# Altium PCB DB46.PcbDoc (part 4 of 6)
Units mm, origin at the board's own origin, x right, y up, seen from the top; angles counter-clockwise.
Board outline 82.2 x 113.2 mm, 8 copper layers (Top Layer, MidLayer1, MidLayer2, GND, MidLayer3, VCC, MidLayer4, Bottom Layer), stack 1.576 mm thick; 186 components, 477 nets, 1727 pads, 1538 vias.
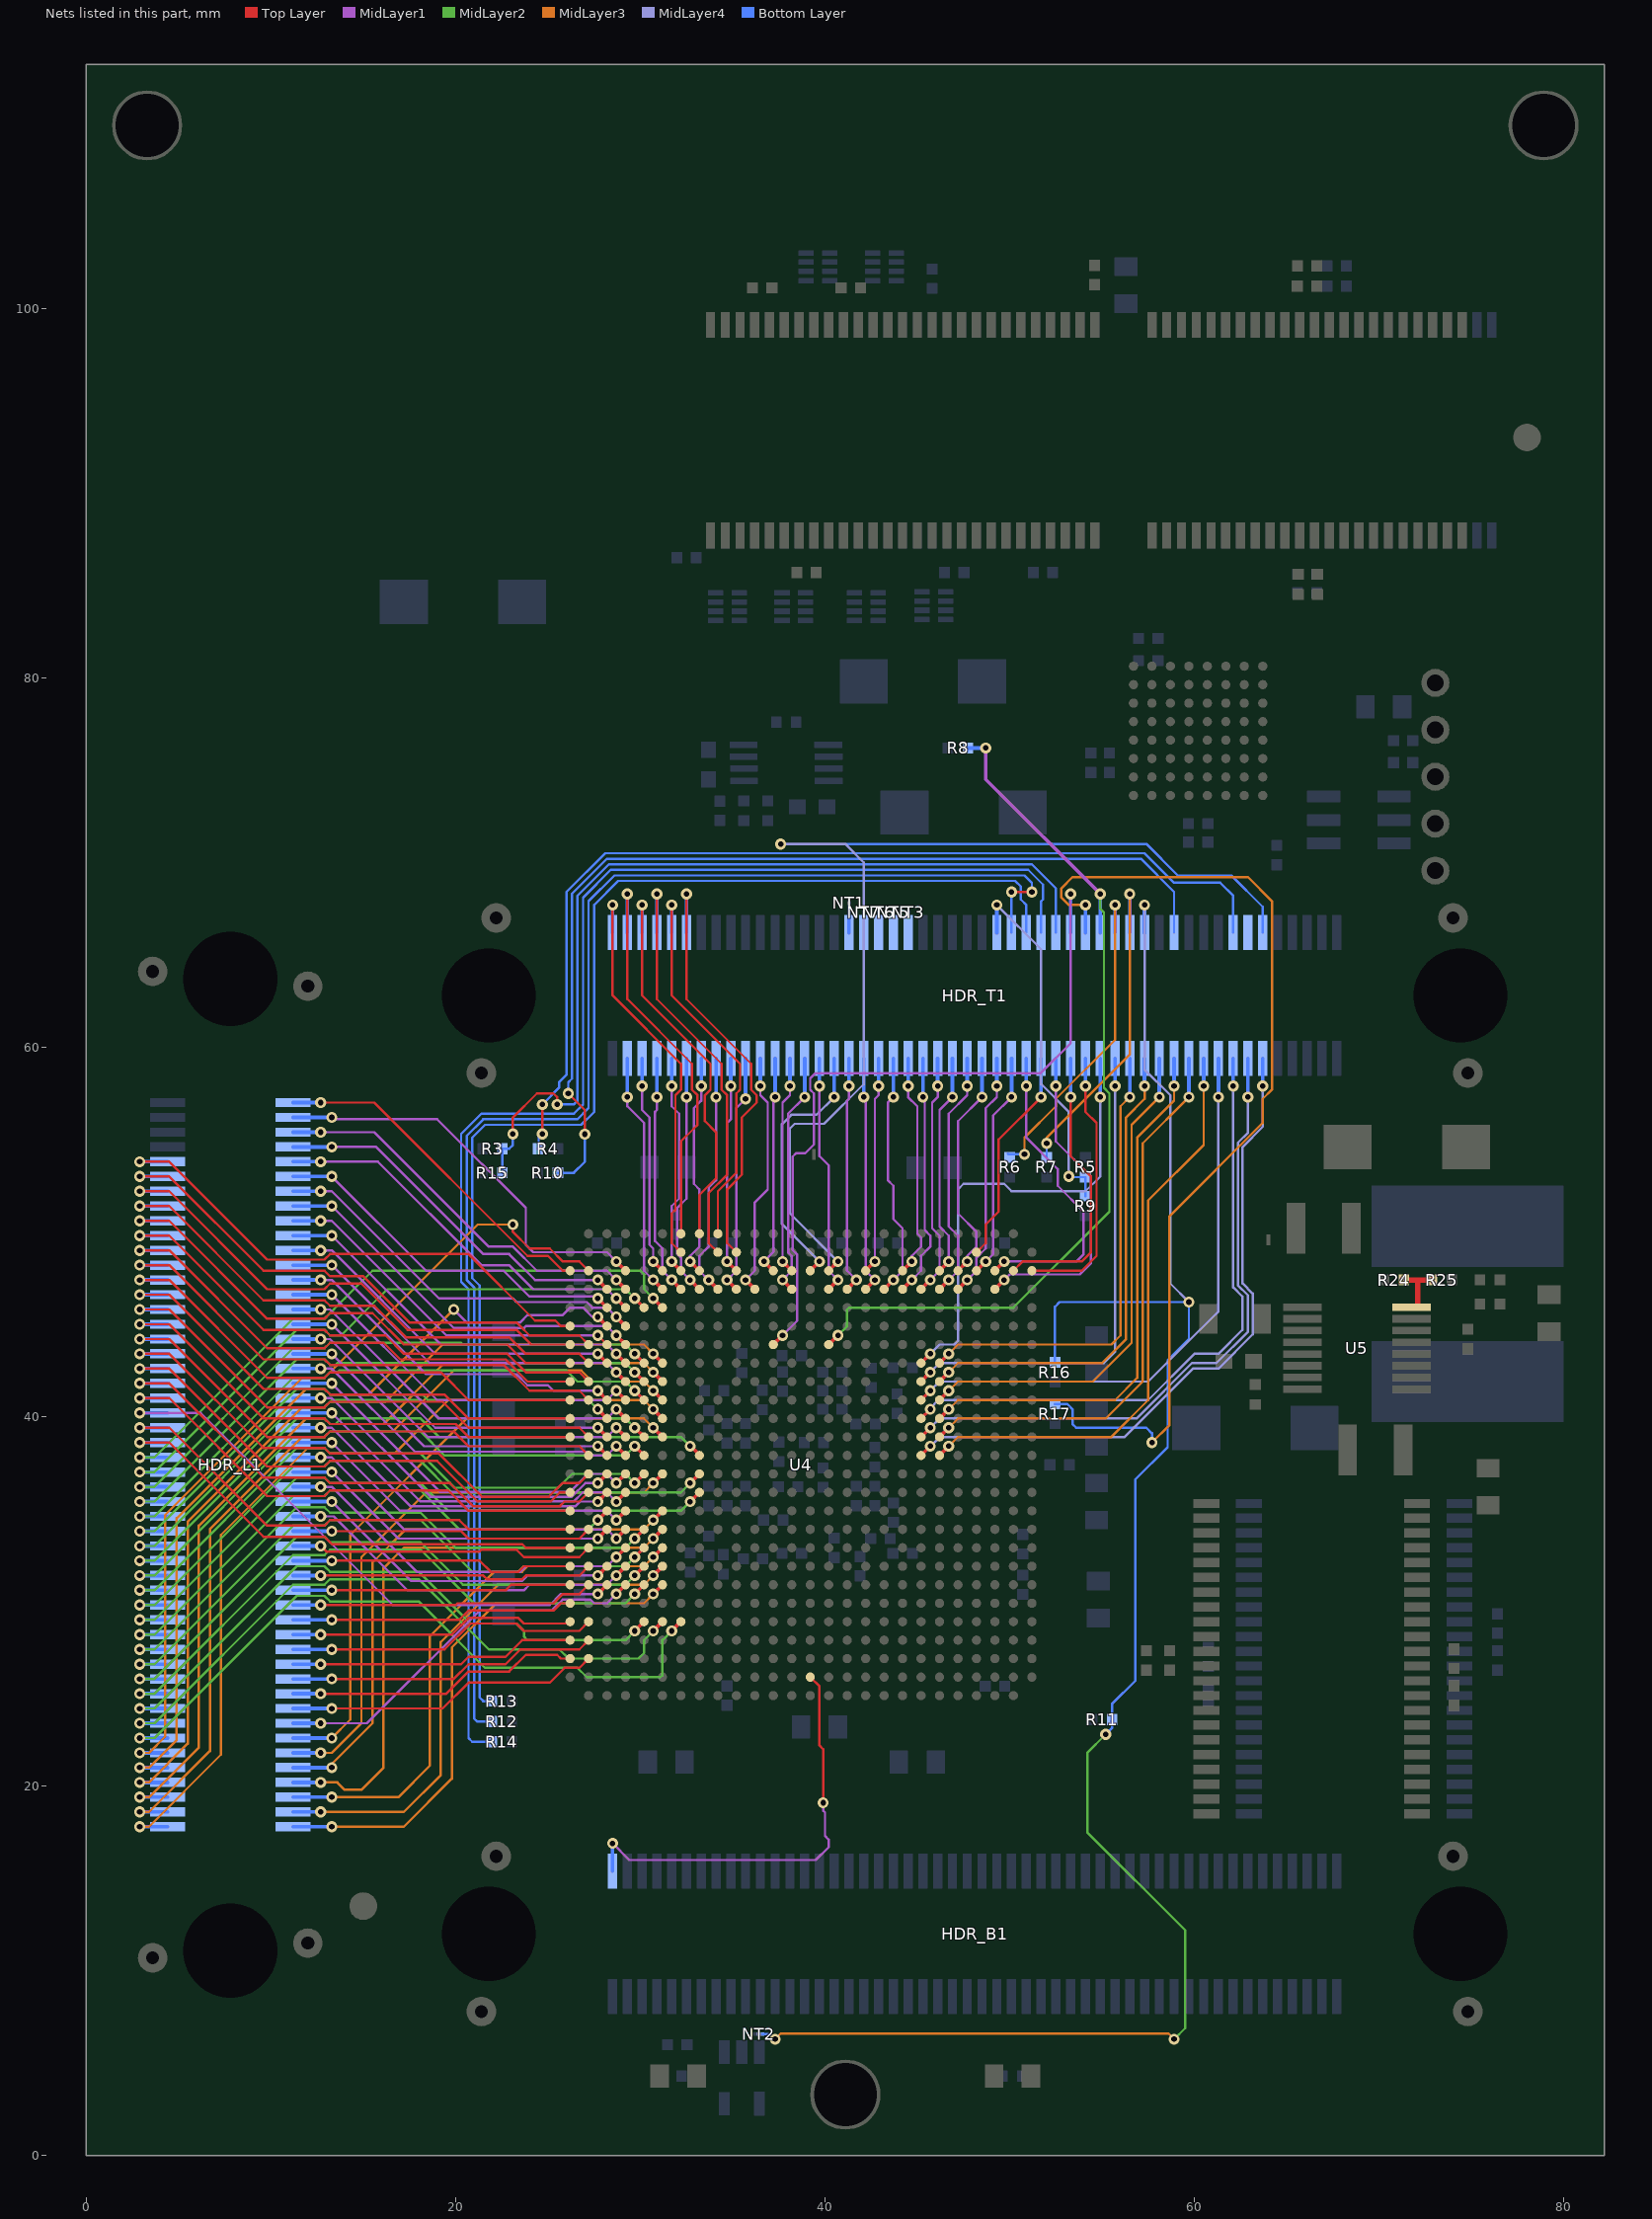
[diagram p10: the nets of this part, all layers, seen from the top]

## Via types
v1: diameter 0.6, hole 0.3, Top Layer to Bottom Layer, 904 vias
v2: diameter 0.6, hole 0.3, Top Layer to Bottom Layer, tented both sides, 506 vias
v3: diameter 0.7, hole 0.4, Top Layer to Bottom Layer, 127 vias
v4: diameter 0.6, hole 0.3, Top Layer to Bottom Layer, tented top, 1 vias

## Nets (pads, with @x,y where several pads share a name; then routed paths per layer and width w, separated by ;. In a path a pad name is that pad's centre, name@x,y a point inside that pad or via, vN(x,y) a via of type N, cw(c..) or ccw(c..) an arc to the next point about the centre after c; other vN are vias at no path point) (continued)
EXTEND_A4: HDR_L1.9 U4.F1 | length 29
  Top Layer w0.127: v2(2.9,53.8) 3.8,53.8 ; 3.5,53.8 4.5,53.8 9.8,48.5 12.9,48.5 13.2,48.8 20.7,48.8 24.3,45.2 24.6,45.2 25.4,45.2 25.7,44.9 U4.F1@26.2,44.9
  Bottom Layer w0.2: v2(2.9,53.8) HDR_L1.9@4.4,53.8
EXTEND_A5: HDR_L1.11 U4.G2 | length 29.9
  Top Layer w0.127: v2(2.9,53) 3.8,53 ; 3.5,53 4.5,53 9.6,47.9 12.9,47.9 13.2,47.6 15,47.6 17.5,45.1 23.3,45.1 23.5,44.9 24,44.4 25.8,44.4 26.7,44.4 U4.G2@27.2,43.9
  Bottom Layer w0.2: v2(2.9,53) HDR_L1.11@4.4,53
EXTEND_A6: HDR_L1.13 U4.G1 | length 28.8
  Top Layer w0.127: v2(2.9,52.2) 3.8,52.2 ; 3.5,52.2 4.5,52.2 9.8,46.9 12.9,46.9 13.2,47.2 14.9,47.2 17.4,44.7 23.3,44.7 24.1,43.9 24.3,43.9 24.6,43.9 U4.G1@26.2,43.9
  Bottom Layer w0.2: v2(2.9,52.2) HDR_L1.13@4.4,52.2
EXTEND_A7: HDR_L1.15 U4.H2 | length 29.6
  Top Layer w0.127: v2(2.9,51.4) 3.8,51.4 ; 3.5,51.4 4.5,51.4 9.6,46.3 12.9,46.3 13.2,46 15.6,46 17.3,44.3 22.9,44.3 23.8,43.4 24.3,43.4 24.6,43.4 26.7,43.4 U4.H2@27.2,42.9
  Bottom Layer w0.2: v2(2.9,51.4) HDR_L1.15@4.4,51.4
EXTEND_A8: HDR_L1.17 U4.H1 | length 28.5
  Top Layer w0.127: v2(2.9,50.6) 3.8,50.6 ; 3.5,50.6 4.5,50.6 9.8,45.3 12.9,45.3 13.2,45.6 15.5,45.6 17.2,43.9 22.8,43.9 23.8,42.9 24.3,42.9 24.6,42.9 U4.H1@26.2,42.9
  Bottom Layer w0.2: v2(2.9,50.6) HDR_L1.17@4.4,50.6
EXTEND_A9: HDR_L1.19 U4.J2 | length 29.4
  Top Layer w0.127: v2(2.9,49.8) 3.8,49.8 ; 3.5,49.8 4.5,49.8 9.6,44.7 12.9,44.7 13.2,44.4 16.2,44.4 17.2,43.4 22.8,43.4 23.8,42.4 24.3,42.4 24.6,42.4 26.7,42.4 U4.J2@27.2,41.9
  Bottom Layer w0.2: v2(2.9,49.8) HDR_L1.19@4.4,49.8
EXTEND_A10: HDR_L1.21 U4.J1 | length 28.3
  Top Layer w0.127: v2(2.9,49) 3.8,49 ; 3.5,49 4.5,49 9.8,43.7 12.9,43.7 13.2,44 16.1,44 17,43.1 22.7,43.1 23.9,41.9 24.3,41.9 24.6,41.9 U4.J1@26.2,41.9
  Bottom Layer w0.2: v2(2.9,49) HDR_L1.21@4.4,49
EXTEND_A11: HDR_L1.23 U4.K2 | length 29.1
  Top Layer w0.127: v2(2.9,48.2) 3.8,48.2 ; 3.5,48.2 4.5,48.2 9.6,43.1 12.9,43.1 13.2,42.8 22.6,42.8 24,41.4 24.3,41.4 24.6,41.4 26.7,41.4 U4.K2@27.2,40.9
  Bottom Layer w0.2: v2(2.9,48.2) HDR_L1.23@4.4,48.2
EXTEND_A12: HDR_L1.25 U4.K1 | length 27.7
  Top Layer w0.127: v2(2.9,47.4) 4.5,47.4 9.8,42.1 12.9,42.1 13.2,42.4 19.2,42.4 20.7,40.9 24.3,40.9 24.6,40.9 U4.K1@26.2,40.9
  Bottom Layer w0.2: v2(2.9,47.4) HDR_L1.25@4.4,47.4
EXTEND_A13: HDR_L1.27 U4.L1 | length 27.6
  Top Layer w0.127: v2(2.9,46.6) 4.5,46.6 9.6,41.5 12.9,41.5 13.2,41.2 19.4,41.2 20.7,39.9 24.3,39.9 24.6,39.9 U4.L1@26.2,39.9
  Bottom Layer w0.2: v2(2.9,46.6) HDR_L1.27@4.4,46.6
EXTEND_A14: HDR_L1.29 U4.M2 | length 28.9
  Top Layer w0.127: v2(2.9,45.8) 4.5,45.8 9.8,40.5 12.9,40.5 13.2,40.8 19.3,40.8 20.7,39.4 24.3,39.4 24.6,39.4 26.7,39.4 U4.M2@27.2,38.9
  Bottom Layer w0.2: v2(2.9,45.8) HDR_L1.29@4.4,45.8
EXTEND_A15: HDR_L1.31 U4.M1 | length 27.3
  Top Layer w0.127: v2(2.9,45) 4.5,45 9.6,39.9 12.9,39.9 13.2,39.6 20,39.6 20.7,38.9 24.3,38.9 24.6,38.9 U4.M1@26.2,38.9
  Bottom Layer w0.2: v2(2.9,45) HDR_L1.31@4.4,45
EXTEND_A16: HDR_L1.33 U4.N2 | length 28.7
  Top Layer w0.127: v2(2.9,44.2) 4.5,44.2 9.8,38.9 12.9,38.9 13.2,39.2 19.9,39.2 20.7,38.4 24.3,38.4 24.6,38.4 26.7,38.4 U4.N2@27.2,37.9
  Bottom Layer w0.2: v2(2.9,44.2) HDR_L1.33@4.4,44.2
EXTEND_A17: HDR_L1.35 U4.P2 | length 29.5
  Top Layer w0.127: v2(2.9,43.4) 4.5,43.4 9.6,38.3 12.9,38.3 13.2,38 19.1,38 21.438,35.662 25.046,35.662 25.784,36.4 26.7,36.4 U4.P2@27.2,36.9
  Bottom Layer w0.2: v2(2.9,43.4) HDR_L1.35@4.4,43.4
EXTEND_A18: HDR_L1.37 U4.R1 | length 28.2
  Top Layer w0.127: v2(2.9,42.6) 4.5,42.6 9.8,37.3 12.9,37.3 13.2,37.6 19,37.6 20.7,35.9 21.192,35.408 25.151,35.408 25.643,35.9 U4.R1@26.2,35.9
  Bottom Layer w0.2: v2(2.9,42.6) HDR_L1.37@4.4,42.6
EXTEND_A19: HDR_L1.39 U4.R2 | length 28.9
  Top Layer w0.127: v2(2.9,41.8) 4.5,41.8 9.6,36.7 12.9,36.7 13.2,36.4 19.7,36.4 20.946,35.154 25.654,35.154 25.9,35.4 26.7,35.4 U4.R2@27.2,35.9
  Bottom Layer w0.2: v2(2.9,41.8) HDR_L1.39@4.4,41.8
EXTEND_A20: HDR_L1.41 U4.T1 | length 27.6
  Top Layer w0.127: v2(2.9,41) 4.5,41 9.8,35.7 12.9,35.7 13.2,36 19.6,36 20.7,34.9 24.3,34.9 24.6,34.9 U4.T1@26.2,34.9
  Bottom Layer w0.2: v2(2.9,41) HDR_L1.41@4.4,41
EXTEND_A21: HDR_L1.43 U4.Y3 | length 31.6
  Top Layer w0.2: v1(27.7,30.4) U4.Y3@28.2,30.9
  MidLayer1 w0.127: v2(2.9,40.2) 6.2,40.2 16.6,29.8 24.3,29.8 24.6,29.8 25.1,29.8 25.7,30.4 v1(27.7,30.4)
  Bottom Layer w0.2: v2(2.9,40.2) HDR_L1.43@4.4,40.2
EXTEND_A22: HDR_L1.45 U4.U1 | length 27.3
  Top Layer w0.127: v2(2.9,39.4) 4.5,39.4 9.8,34.1 12.9,34.1 13.2,34.4 20.2,34.4 20.7,33.9 24.3,33.9 24.6,33.9 U4.U1@26.2,33.9
  Bottom Layer w0.2: v2(2.9,39.4) HDR_L1.45@4.4,39.4
EXTEND_A23: HDR_L1.47 U4.V1 | length 27.5
  Top Layer w0.127: v2(2.9,38.6) 3.8,38.6 ; 3.5,38.6 4.5,38.6 9.6,33.5 12.9,33.5 13.3,33.1 23.6,33.1 23.8,32.9 24.3,32.9 24.6,32.9 U4.V1@26.2,32.9
  Bottom Layer w0.2: v2(2.9,38.6) HDR_L1.47@4.4,38.6
EXTEND_A24: HDR_L1.49 U4.E6 | length 35.3
  Top Layer w0.2: v1(30.7,46.4) U4.E6@31.2,45.9
  MidLayer2 w0.127: v2(2.9,37.8) 3.7,37.8 11.2,45.3 12.9,45.3 14,46.4 15.5,47.9 24.3,47.9 24.6,47.9 30,47.9 30.2,47.7 30.2,46.9 v1(30.7,46.4)
  Bottom Layer w0.2: v2(2.9,37.8) HDR_L1.49@4.4,37.8
EXTEND_A25: HDR_L1.51 U4.E5 | length 33.6
  Top Layer w0.2: v1(29.7,46.4) U4.E5@30.2,45.9
  MidLayer2 w0.127: v2(2.9,37) 3.7,37 11.4,44.7 12.9,44.7 13.2,44.4 13.8,44.4 15.4,46 16.3,46.9 24.3,46.9 24.6,46.9 29.2,46.9 v1(29.7,46.4)
  Bottom Layer w0.2: v2(2.9,37) HDR_L1.51@4.4,37
EXTEND_A26: HDR_L1.53 U4.H5 | length 32.5
  Top Layer w0.2: v1(29.7,43.4) U4.H5@30.2,42.9
  MidLayer2 w0.127: v2(2.9,36.2) 3.7,36.2 11.2,43.7 12.9,43.7 13.2,44 20.3,44 20.4,43.9 24.3,43.9 24.6,43.9 29.2,43.9 v1(29.7,43.4)
  Bottom Layer w0.2: v2(2.9,36.2) HDR_L1.53@4.4,36.2
EXTEND_A27: HDR_L1.55 U4.J5 | length 32.6
  Top Layer w0.2: v1(29.7,42.4) U4.J5@30.2,41.9
  MidLayer2 w0.127: v2(2.9,35.4) 3.7,35.4 11.4,43.1 12.9,43.1 13.2,42.8 13.5,42.8 13.6,42.9 24.3,42.9 24.6,42.9 29.2,42.9 v1(29.7,42.4)
  Bottom Layer w0.2: v2(2.9,35.4) HDR_L1.55@4.4,35.4
EXTEND_A28: HDR_L1.57 U4.K5 | length 32.7
  Top Layer w0.2: v1(29.7,41.4) U4.K5@30.2,40.9
  MidLayer2 w0.127: v2(2.9,34.6) 3.7,34.6 11.2,42.1 12.9,42.1 13.2,42.4 13.6,42.4 13.7,42.5 24.3,42.5 24.6,42.5 26,42.5 26.6,41.9 29.2,41.9 v1(29.7,41.4)
  Bottom Layer w0.2: v2(2.9,34.6) HDR_L1.57@4.4,34.6
EXTEND_A29: HDR_L1.59 U4.L3 | length 30.8
  Top Layer w0.2: v1(27.7,40.4) U4.L3@28.2,39.9
  MidLayer2 w0.127: v2(2.9,33.8) 3.7,33.8 11.4,41.5 12.9,41.5 13.2,41.2 18.2,41.2 18.5,40.9 24.3,40.9 24.6,40.9 27.2,40.9 v1(27.7,40.4)
  Bottom Layer w0.2: v2(2.9,33.8) HDR_L1.59@4.4,33.8
  Bottom Layer w0.381: v1(27.7,40.4) v1@27.7,40.508
EXTEND_A30: HDR_L1.61 U4.M5 | length 32.9
  Top Layer w0.2: v1(29.7,39.4) U4.M5@30.2,38.9
  MidLayer2 w0.127: v2(2.9,33) 3.7,33 11.2,40.5 12.9,40.5 13.3,40.9 18.1,40.9 19.1,39.9 24.3,39.9 24.6,39.9 29.2,39.9 v1(29.7,39.4)
  Bottom Layer w0.2: v2(2.9,33) HDR_L1.61@4.4,33
EXTEND_A31: HDR_L1.63 U4.N8 | length 36.1
  Top Layer w0.2: v1@32.7,38.475 32.737,38.432 U4.N8@33.2,37.9
  MidLayer2 w0.127: v2(2.9,32.2) 3.7,32.2 11.4,39.9 12.9,39.9 13.2,39.6 13.5,39.6 13.8,39.9 18.1,39.9 19.1,38.9 24.3,38.9 24.6,38.9 32.2,38.9 v1(32.7,38.4)
  Bottom Layer w0.2: v2(2.9,32.2) HDR_L1.63@4.4,32.2
EXTEND_A32: HDR_L1.65 U4.N5 | length 33
  Top Layer w0.2: v1(29.7,38.4) U4.N5@30.2,37.9
  MidLayer2 w0.127: v2(2.9,31.4) 3.7,31.4 11.2,38.9 12.9,38.9 13.2,39.2 18.1,39.2 19.4,37.9 24.3,37.9 24.6,37.9 29.2,37.9 v1(29.7,38.4)
  Bottom Layer w0.2: v2(2.9,31.4) HDR_L1.65@4.4,31.4
EXTEND_A33: HDR_L1.67 U4.P5 | length 33.6
  Top Layer w0.2: v1(29.7,36.4) U4.P5@30.2,36.9
  MidLayer2 w0.127: v2(2.9,30.6) 3.7,30.6 11.4,38.3 12.9,38.3 13.2,38 18.1,38 19.946,36.154 25.554,36.154 26.3,36.9 29.2,36.9 v1(29.7,36.4)
  Bottom Layer w0.2: v2(2.9,30.6) HDR_L1.67@4.4,30.6
EXTEND_A34: HDR_L1.69 U4.P8 | length 36.1
  Top Layer w0.2: v1(32.7,36.4) U4.P8@33.2,36.9
  MidLayer2 w0.127: v2(2.9,29.8) 3.7,29.8 11.2,37.3 12.9,37.3 13.2,37.6 18.1,37.6 19.8,35.9 24.3,35.9 24.6,35.9 32.2,35.9 v1(32.7,36.4)
  Bottom Layer w0.2: v2(2.9,29.8) HDR_L1.69@4.4,29.8
EXTEND_A35: HDR_L1.71 U4.R8 | length 36.1
  Top Layer w0.2: v1(32.7,35.4) U4.R8@33.2,35.9
  MidLayer2 w0.127: v2(2.9,29) 3.7,29 11.4,36.7 12.9,36.7 13.2,36.4 18.1,36.4 19.6,34.9 24.3,34.9 24.6,34.9 32.2,34.9 v1(32.7,35.4)
  Bottom Layer w0.2: v2(2.9,29) HDR_L1.71@4.4,29
EXTEND_A36: HDR_L1.73 U4.T3 | length 31.4
  Top Layer w0.2: v1(27.7,34.4) U4.T3@28.2,34.9
  MidLayer2 w0.127: v2(2.9,28.2) 3.7,28.2 11.2,35.7 12.9,35.7 13.2,36 18.1,36 20.2,33.9 24.3,33.9 24.6,33.9 27.2,33.9 v1(27.7,34.4)
  Bottom Layer w0.2: v2(2.9,28.2) HDR_L1.73@4.4,28.2
  Bottom Layer w0.381: v1(27.7,34.4) v1@27.7,34.508
EXTEND_A37: HDR_L1.75 U4.U5 | length 33.3
  Top Layer w0.2: v1(29.7,33.4) U4.U5@30.2,33.9
  MidLayer2 w0.127: v2(2.9,27.4) 3.7,27.4 11.4,35.1 12.9,35.1 13.2,34.8 18.1,34.8 20,32.9 24.3,32.9 24.6,32.9 29.2,32.9 v1(29.7,33.4)
  Bottom Layer w0.2: v2(2.9,27.4) HDR_L1.75@4.4,27.4
EXTEND_A38: HDR_L1.77 U4.V5 | length 33.7
  Top Layer w0.2: v1(29.7,32.4) U4.V5@30.2,32.9
  MidLayer2 w0.127: v2(2.9,26.6) 3.7,26.6 11.2,34.1 12.9,34.1 13.2,34.4 18.1,34.4 20.9,31.6 23.4,31.6 23.7,31.9 24.3,31.9 24.6,31.9 29.2,31.9 v1(29.7,32.4)
  Bottom Layer w0.2: v2(2.9,26.6) HDR_L1.77@4.4,26.6
EXTEND_A39: HDR_L1.79 U4.W5 | length 33.5
  Top Layer w0.2: v1(29.7,31.4) U4.W5@30.2,31.9
  MidLayer2 w0.127: v2(2.9,25.8) 3.7,25.8 11.4,33.5 12.9,33.5 13.2,33.2 18.1,33.2 20.4,30.9 24.3,30.9 24.6,30.9 29.2,30.9 v1(29.7,31.4)
  Bottom Layer w0.2: v2(2.9,25.8) HDR_L1.79@4.4,25.8
EXTEND_A40: HDR_L1.81 U4.Y5 | length 33.6
  Top Layer w0.2: v1(29.7,30.4) U4.Y5@30.2,30.9
  MidLayer2 w0.127: v2(2.9,25) 3.7,25 11.2,32.5 12.9,32.5 13.2,32.8 18.1,32.8 21,29.9 24.3,29.9 24.6,29.9 29.2,29.9 v1(29.7,30.4)
  Bottom Layer w0.2: v2(2.9,25) HDR_L1.81@4.4,25
EXTEND_A41: HDR_L1.83 U4.AB5 | length 34.2
  Top Layer w0.2: v1(29.7,28.4) U4.AB5@30.2,28.9
  MidLayer2 w0.127: v2(2.9,24.2) 3.7,24.2 11.4,31.9 12.9,31.9 13.2,31.6 18,31.6 20.8,28.8 23.3,28.8 23.7,28.4 23.7,28.1 23.9,27.9 24.3,27.9 24.6,27.9 29.2,27.9 v1(29.7,28.4)
  Bottom Layer w0.2: v2(2.9,24.2) HDR_L1.83@4.4,24.2
EXTEND_A42: HDR_L1.85 U4.AB6 | length 36.1
  Top Layer w0.2: v1(30.7,28.4) U4.AB6@31.2,28.9
  MidLayer2 w0.127: v2(2.9,23.4) 3.7,23.4 11.2,30.9 12.9,30.9 13.2,31.2 18,31.2 21.8,27.4 24.3,27.4 24.6,27.4 25.625,27.4 26.125,26.9 29.9,26.9 30.2,27.2 30.2,27.9 v1(30.7,28.4)
  Bottom Layer w0.2: v2(2.9,23.4) HDR_L1.85@4.4,23.4
EXTEND_A43: HDR_L1.87 U4.AB7 | length 38.2
  Top Layer w0.2: v1(31.7,28.4) U4.AB7@32.2,28.9
  MidLayer2 w0.127: v2(2.9,22.6) 3.7,22.6 11.4,30.3 12.9,30.3 13.2,30 18,30 21.6,26.4 24.3,26.4 24.6,26.4 26.6,26.4 27.1,25.9 31.1,25.9 31.2,26 31.2,27.9 v1(31.7,28.4)
  Bottom Layer w0.2: v2(2.9,22.6) HDR_L1.87@4.4,22.6
EXTEND_A44: HDR_L1.89 U4.C2 | length 45.9
  Top Layer w0.127: v1(23.1,50.4) 23.1,50 24,49.1 24.3,49.1 24.6,49.1 25.1,49.1 25.8,48.4 26.7,48.4 U4.C2@27.2,47.9
  MidLayer3 w0.127: v2(2.9,21.8) 3.4,21.8 4.277,22.677 4.277,34.677 11.7,42.1 12.9,42.1 21.2,50.4 v1(23.1,50.4)
  Bottom Layer w0.2: v2(2.9,21.8) HDR_L1.89@4.4,21.8
EXTEND_A45: HDR_L1.91 U4.F3 | length 45.4
  Top Layer w0.2: v1(27.7,45.4) U4.F3@28.2,44.9
  MidLayer1 w0.127: v1(19.9,45.8) 20.6,45.1 23.5,45.1 23.9,45.5 24.3,45.5 24.6,45.5 25.8,45.5 26.2,45.9 26.9,45.9 27.4,45.4 v1(27.7,45.4)
  MidLayer3 w0.127: v2(2.9,21) 3.4,21 4.9,22.5 4.9,34.5 11.9,41.5 12.9,41.5 13.2,41.2 15.3,41.2 v1(19.9,45.8)
  Bottom Layer w0.2: v2(2.9,21) HDR_L1.91@4.4,21
EXTEND_A46: HDR_L1.93 U4.H6 | length 47.1
  Top Layer w0.2: v1(30.7,43.4) U4.H6@31.2,42.9
  MidLayer3 w0.127: v2(2.9,20.2) 3.4,20.2 5.5,22.3 5.5,34.3 11.7,40.5 12.9,40.5 13.2,40.8 16.2,40.8 19.3,43.9 24.3,43.9 24.6,43.9 30.2,43.9 v1(30.7,43.4)
  Bottom Layer w0.2: v2(2.9,20.2) HDR_L1.93@4.4,20.2
EXTEND_A47: HDR_L1.95 U4.J6 | length 47.2
  Top Layer w0.2: v1(30.7,42.4) U4.J6@31.2,41.9
  MidLayer3 w0.127: v2(2.9,19.4) 3.4,19.4 6.1,22.1 6.1,34.1 11.9,39.9 12.9,39.9 13.2,39.6 16.1,39.6 19.4,42.9 24.3,42.9 24.6,42.9 30.2,42.9 v1(30.7,42.4)
  Bottom Layer w0.2: v2@2.9,19.4 HDR_L1.95@4.4,19.4
EXTEND_A48: HDR_L1.97 U4.K6 | length 47.4
  Top Layer w0.2: v1(30.7,41.4) U4.K6@31.2,40.9
  MidLayer3 w0.127: v2(2.9,18.6) 3.4,18.6 6.7,21.9 6.7,33.9 11.7,38.9 12.912,38.9 12.912,38.912 13.2,39.2 16.6,39.2 19.9,42.5 24.3,42.5 24.6,42.5 26.8,42.5 27.4,41.9 30.2,41.9 v1(30.7,41.4)
  Bottom Layer w0.2: v2(2.9,18.6) HDR_L1.97@4.4,18.6
EXTEND_A49: HDR_L1.99 U4.L6 | length 47
  Top Layer w0.2: v1(30.7,40.4) U4.L6@31.2,39.9
  MidLayer3 w0.127: v2(2.9,17.8) 3.4,17.8 7.3,21.7 7.3,33.6 12,38.3 12.9,38.3 13.2,38 16.7,38 19.6,40.9 24.3,40.9 24.6,40.9 30.2,40.9 v1(30.7,40.4)
  Bottom Layer w0.2: v2(2.9,17.8) HDR_L1.99@4.4,17.8
EXTEND_B0: HDR_L1.2 U4.C1 | length 18.8
  Top Layer w0.127: v2(12.7,57) 15.6,57 23.9,48.7 24.3,48.7 24.6,48.7 25,48.7 25.8,47.9 U4.C1@26.2,47.9
  Bottom Layer w0.2: HDR_L1.2@11.2,57 v2(12.7,57)
EXTEND_B1: HDR_L1.4 U4.C4 | length 22.6
  Top Layer w0.2: v1(28.7,48.4) U4.C4@29.2,47.9
  MidLayer1 w0.127: v2(13.3,56.2) 13.4,56.2 13.5,56.1 19,56.1 23.8,51.3 23.8,49.3 24.2,48.9 28.2,48.9 v1(28.7,48.4)
  Bottom Layer w0.2: HDR_L1.4@11.2,56.2 v2(13.3,56.2)
EXTEND_B2: HDR_L1.6 U4.D4 | length 21.5
  Top Layer w0.2: v1(28.7,47.4) U4.D4@29.2,46.9
  MidLayer1 w0.127: v2(12.7,55.4) 15.6,55.4 21.8,49.2 23.1,49.2 24.4,47.9 28.2,47.9 v1(28.7,47.4)
  Bottom Layer w0.2: HDR_L1.6@11.2,55.4 v2(12.7,55.4)
EXTEND_B3: HDR_L1.8 U4.D3 | length 20.2
  Top Layer w0.2: v1(27.7,47.4) U4.D3@28.2,46.9
  MidLayer1 w0.127: v2(13.3,54.6) 15.7,54.6 21.5,48.8 22.9,48.8 24.3,47.4 v1(27.7,47.4)
  Bottom Layer w0.2: HDR_L1.8@11.2,54.6 v2(13.3,54.6)
EXTEND_B4: HDR_L1.10 U4.E4 | length 21.3
  Top Layer w0.2: v1(28.7,46.4) U4.E4@29.2,45.9
  MidLayer1 w0.127: v2(12.7,53.8) 15.8,53.8 21.4,48.2 22.9,48.2 24.2,46.9 28.2,46.9 v1(28.7,46.4)
  Bottom Layer w0.2: HDR_L1.10@11.2,53.8 v2(12.7,53.8)
EXTEND_B5: HDR_L1.12 U4.E3 | length 19.9
  Top Layer w0.2: v1(27.7,46.4) U4.E3@28.2,45.9
  MidLayer1 w0.127: v2(13.3,53) 18.4,47.9 22.6,47.9 24,46.5 27.6,46.5 v1(27.7,46.4)
  Bottom Layer w0.2: HDR_L1.12@11.2,53 v2(13.3,53)
EXTEND_B6: HDR_L1.14 U4.F4 | length 21
  Top Layer w0.2: v1(28.7,45.4) U4.F4@29.2,44.9
  MidLayer1 w0.127: v2(12.7,52.2) 13.3,52.2 19.1,46.4 23.1,46.4 23.3,46.2 24.3,46.2 24.6,46.2 27.1,46.2 27.4,45.9 28.2,45.9 v1(28.7,45.4)
  Bottom Layer w0.2: HDR_L1.14@11.2,52.2 v2(12.7,52.2)
EXTEND_B7: HDR_L1.16 U4.G4 | length 21.2
  Top Layer w0.2: v1(28.7,44.4) U4.G4@29.2,43.9
  MidLayer1 w0.127: v2(13.3,51.4) 19.9,44.8 23.7,44.8 23.8,44.9 24.3,44.9 24.6,44.9 28.2,44.9 v1(28.7,44.4)
  Bottom Layer w0.2: HDR_L1.16@11.2,51.4 v2(13.3,51.4)
EXTEND_B8: HDR_L1.18 U4.G3 | length 19.8
  Top Layer w0.127: v1(27.7,44.4) U4.G3@28.2,43.9
  MidLayer1 w0.127: v2(12.7,50.6) 13.3,50.6 19.5,44.4 24.3,44.4 24.6,44.4 v1(27.7,44.4)
  Bottom Layer w0.2: HDR_L1.18@11.2,50.6 v2(12.7,50.6)
EXTEND_B9: HDR_L1.20 U4.H4 | length 23.8
  Top Layer w0.2: v1(28.7,43.4) U4.H4@29.2,42.9
  MidLayer1 w0.127: v2(13.3,49.8) 19.2,43.9 24.3,43.9 24.6,43.9 28.2,43.9 ; 25.3,43.9 28.2,43.9 ; v1(28.7,43.4) 28.2,43.9
  Bottom Layer w0.2: HDR_L1.20@11.2,49.8 v2(13.3,49.8)
EXTEND_B10: HDR_L1.22 U4.H3 | length 19.5
  Top Layer w0.2: v1(27.7,43.4) U4.H3@28.2,42.9
  MidLayer1 w0.127: v2(12.7,49) 13.3,49 18.9,43.4 24.3,43.4 24.6,43.4 v1(27.7,43.4)
  Bottom Layer w0.2: HDR_L1.22@11.2,49 v2(12.7,49)
EXTEND_B11: HDR_L1.24 U4.J4 | length 20.6
  Top Layer w0.2: v1(28.7,42.4) U4.J4@29.2,41.9
  MidLayer1 w0.127: v2(13.3,48.2) 18.6,42.9 24.3,42.9 24.6,42.9 28.2,42.9 v1(28.7,42.4)
  Bottom Layer w0.2: HDR_L1.24@11.2,48.2 v2(13.3,48.2)
EXTEND_B12: HDR_L1.26 U4.K3 | length 19.7
  Top Layer w0.2: v1(27.7,41.4) U4.K3@28.2,40.9
  MidLayer1 w0.127: v2(12.7,47.4) 13.3,47.4 18.4,42.3 23.3,42.3 23.9,41.7 24.3,41.7 24.6,41.7 25,41.7 25.3,41.4 v1(27.7,41.4)
  Bottom Layer w0.2: HDR_L1.26@11.2,47.4 v2(12.7,47.4)
EXTEND_B13: HDR_L1.28 U4.K4 | length 20.8
  Top Layer w0.2: v1(28.7,41.4) U4.K4@29.2,40.9
  MidLayer1 w0.127: v2(13.3,46.6) 19,40.9 24.3,40.9 24.6,40.9 25.3,40.9 28.2,40.9 v1(28.7,41.4)
  Bottom Layer w0.2: HDR_L1.28@11.2,46.6 v2(13.3,46.6)
EXTEND_B14: HDR_L1.30 U4.L4 | length 20.9
  Top Layer w0.2: v1(28.7,40.4) U4.L4@29.2,39.9
  MidLayer1 w0.127: v2(12.7,45.8) 13.2,45.8 19.1,39.9 24.3,39.9 24.6,39.9 28.2,39.9 v1(28.7,40.4)
  Bottom Layer w0.2: HDR_L1.30@11.2,45.8 v2(12.7,45.8)
EXTEND_B15: HDR_L1.32 U4.M3 | length 19.5
  Top Layer w0.2: v1(27.7,39.4) U4.M3@28.2,38.9
  MidLayer1 w0.127: v2(13.3,45) 18.9,39.4 24.3,39.4 24.6,39.4 v1(27.7,39.4)
  Bottom Layer w0.2: HDR_L1.32@11.2,45 v2(13.3,45)
EXTEND_B16: HDR_L1.34 U4.M4 | length 20.6
  Top Layer w0.2: v1(28.7,39.4) U4.M4@29.2,38.9
  MidLayer1 w0.127: v2(12.7,44.2) 13.2,44.2 18.5,38.9 24.3,38.9 24.6,38.9 28.2,38.9 v1(28.7,39.4)
  Bottom Layer w0.2: HDR_L1.34@11.2,44.2 v2(12.7,44.2)
EXTEND_B17: HDR_L1.36 U4.N3 | length 19.3
  Top Layer w0.2: v1(27.7,38.4) U4.N3@28.2,37.9
  MidLayer1 w0.127: v2(13.3,43.4) 18.3,38.4 24.3,38.4 24.6,38.4 v1(27.7,38.4)
  Bottom Layer w0.2: HDR_L1.36@11.2,43.4 v2(13.3,43.4)
EXTEND_B18: HDR_L1.38 U4.N4 | length 20.4
  Top Layer w0.2: v1(28.7,38.4) U4.N4@29.2,37.9
  MidLayer1 w0.127: v2(12.7,42.6) 13.3,42.6 17.8,38.1 24.3,38.1 24.6,38.1 27.2,38.1 27.4,37.9 28.2,37.9 v1(28.7,38.4)
  Bottom Layer w0.2: HDR_L1.38@11.2,42.6 v2(12.7,42.6)
EXTEND_B19: HDR_L1.40 U4.P4 | length 21.3
  Top Layer w0.2: v1(28.7,36.4) U4.P4@29.2,36.9
  MidLayer1 w0.127: v2(13.3,41.8) 19.184,35.916 26.184,35.916 27.168,36.9 28.2,36.9 v1(28.7,36.4)
  Bottom Layer w0.2: HDR_L1.40@11.2,41.8 v2(13.3,41.8)
EXTEND_B20: HDR_L1.42 U4.P3 | length 19.7
  Top Layer w0.2: v1(27.7,36.4) U4.P3@28.2,36.9
  MidLayer1 w0.127: v2(12.7,41) 13.3,41 18.638,35.662 26.29,35.662 27.027,36.4 v1(27.7,36.4)